# Altium PCB radxa_cm4_io_v1.10.PcbDoc (part 5 of 8)
Units mil, origin at the board's own origin, x right, y up, seen from the top; angles counter-clockwise.
Board outline 6299.62 x 3544.12 mil, 4 copper layers (Top, GND, Power, Bottom), stack 35.4 mil thick; 509 components, 417 nets, 1867 pads, 2150 vias.
Unrouted connection lines stored in the file: 1451.
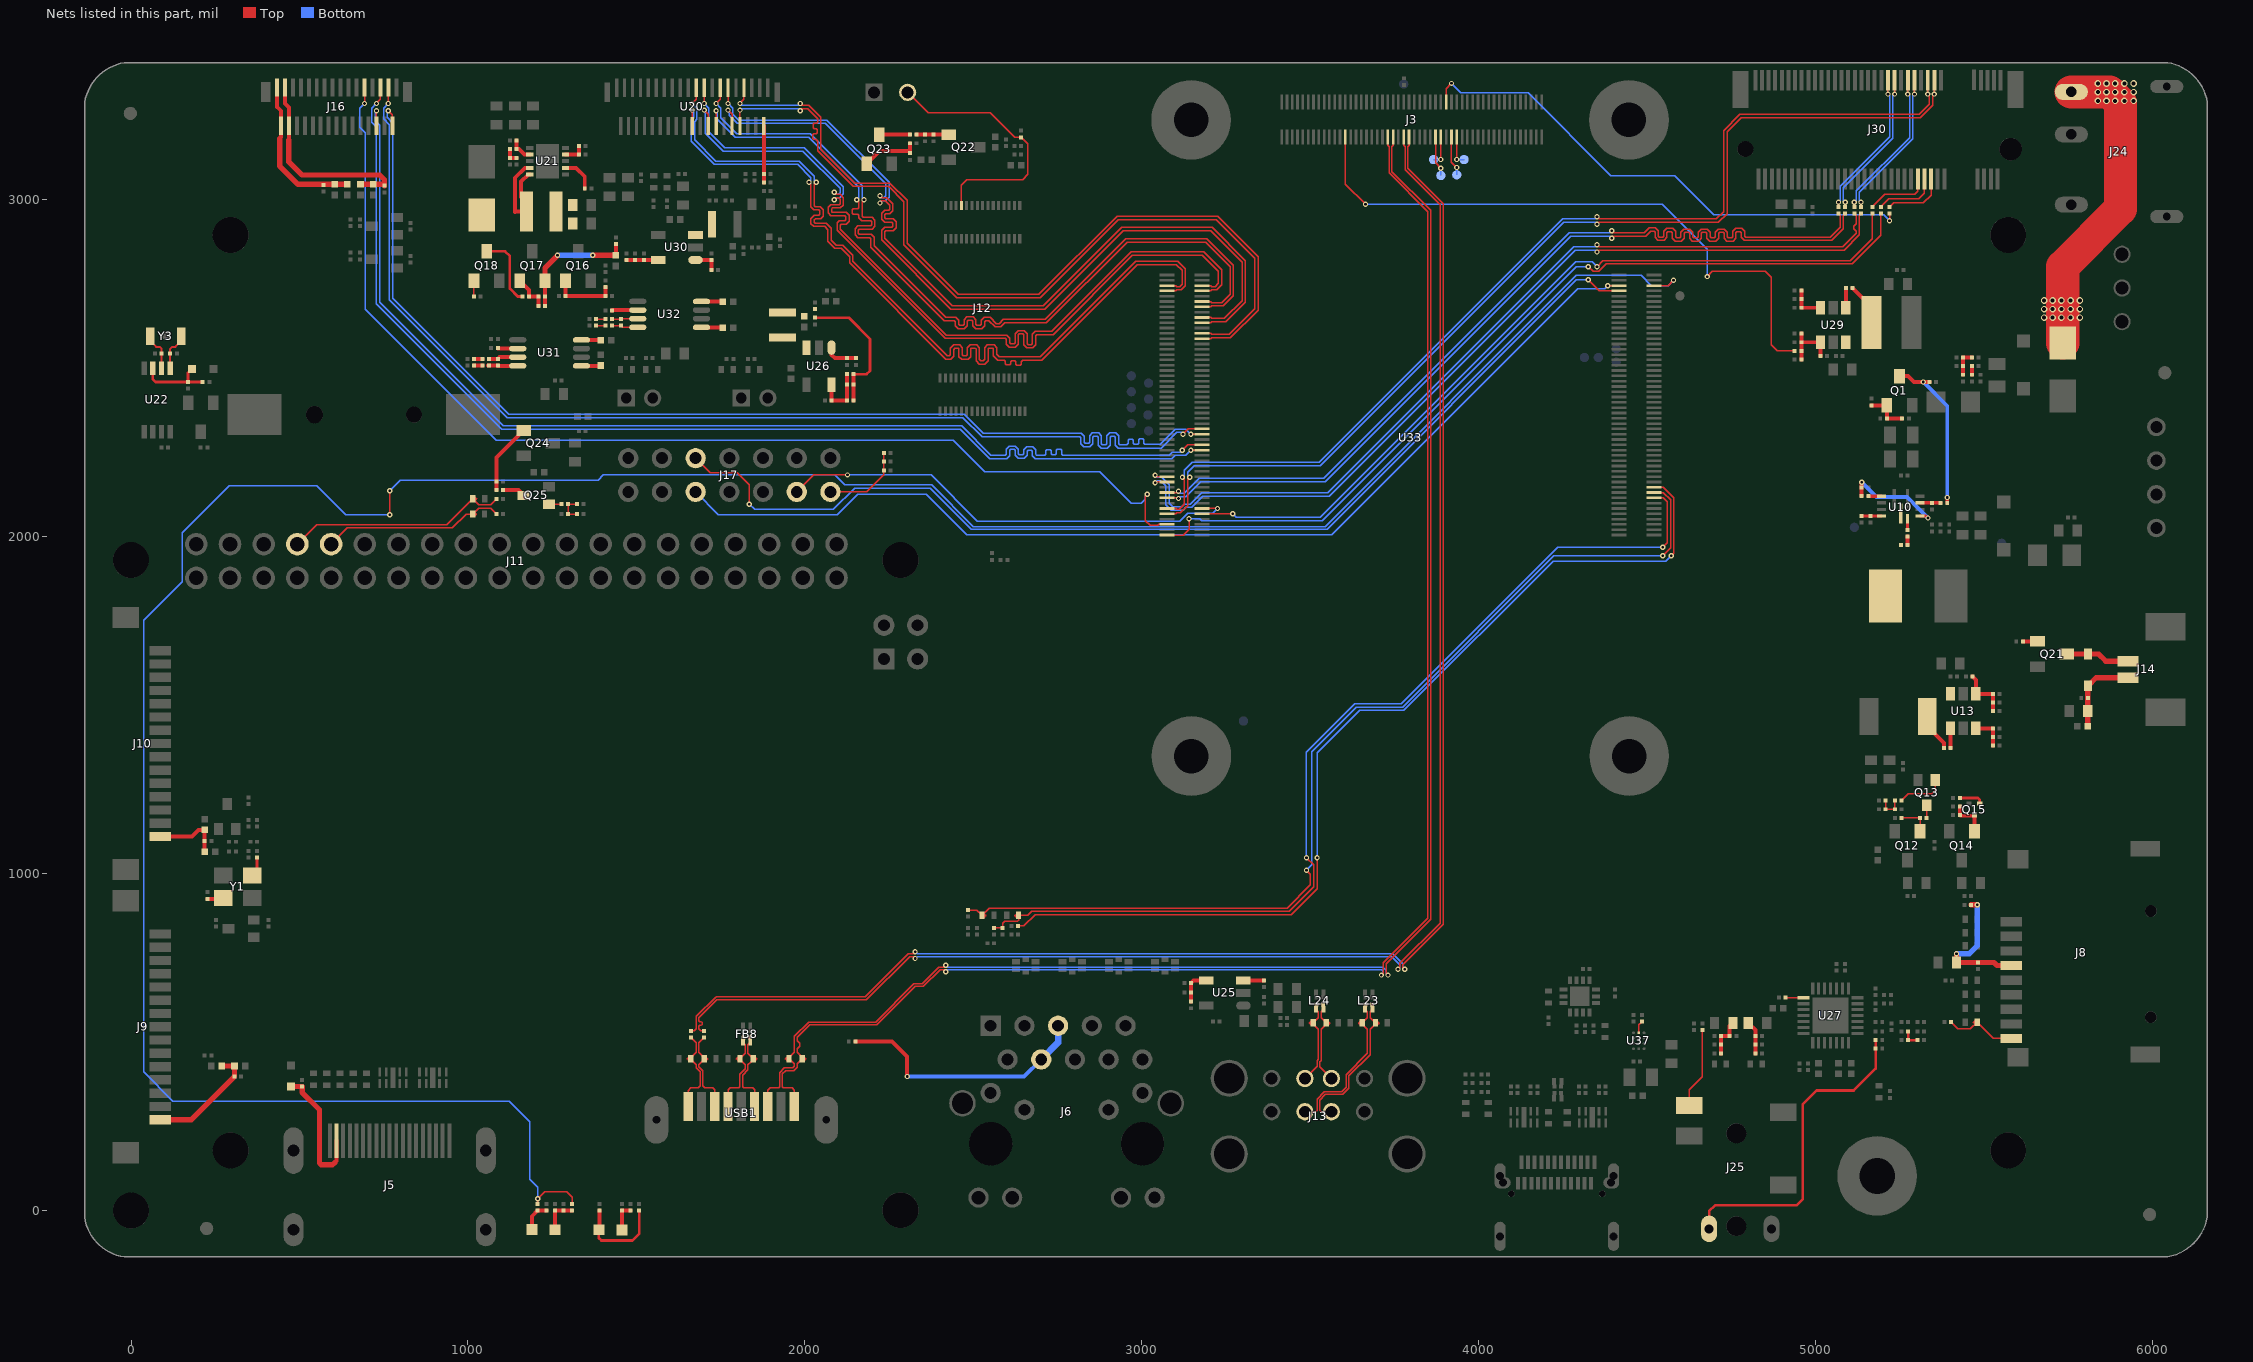
[diagram p7: the nets of this part, all layers, seen from the top]

## Via types
v1: diameter 15.75, hole 7.87, Top to Bottom, 2047 vias
v2: diameter 19.68, hole 11.81, Top to Bottom, 103 vias

## Nets (pads, with @x,y where several pads share a name; then routed paths per layer and width w, separated by ;. In a path a pad name is that pad's centre, name@x,y a point inside that pad or via, vN(x,y) a via of type N, cw(c..) or ccw(c..) an arc to the next point about the centre after c; other vN are vias at no path point) (continued)
MIPI_DPHY_CSI4_RX_CLKP: J16.9 U33.106 | length 3399.8
  Top w3.94: v1(692.91,3285.43) 692.91,3299.49 J16.9@692.91,3332.68 ; v1(3015.75,2125.98) 3009.84,2120.08 3009.84,2100.39 3009.84,2047.31 3023.89,2033.27 3046.26,2033.27 3049.21,2036.22 U33.106@3074.8,2036.22
  Bottom w3.94: v1(692.91,3285.43) 679.13,3271.65 679.13,3214.43 694.88,3198.68 694.88,2675.2 1083.66,2286.42 2439.96,2286.42 2533.46,2192.91 2874.02,2192.91 2968.5,2098.43 2998.03,2098.43 3009.84,2110.24 3009.84,2120.08 v1(3015.75,2125.98)
MIPI_DPHY_CSI4_RX_D0N: J16.5 U33.133 | length 3383.8
  Top w3.94: v1(728.35,3285.43) 740.16,3297.25 J16.5@740.16,3332.68 ; v1(3145.28,2256.69) U33.133@3178.74,2256.69
  Bottom w3.94: v1(728.35,3285.43) 714.57,3271.65 714.57,3230.32 728.35,3216.54 728.35,2690.81 1100.25,2318.9 1383.86,2318.9 2460.49,2318.9 2547.63,2231.76 2599.09,2231.76 2607.81,2240.47 2607.81,2255.91 2610.76,2258.86 2620.61,2258.86 2623.56,2255.91 2623.56,2241.99 2632.28,2233.27 2650.27,2233.27 2658.99,2241.99 2658.99,2253.94 2661.94,2256.89 2671.79,2256.89 2674.74,2253.94 2674.74,2240.02 2683.46,2231.3 3088.58,2231.3 3098.23,2240.94 3129.53,2240.94 v1(3145.28,2256.69)
MIPI_DPHY_CSI4_RX_D0P: J16.6 U33.135 | length 3386.7
  Top w3.94: J16.6@728.35,3219.5 728.35,3251.96 v1(728.35,3263.78) ; v1(3119.68,2256.69) 3135.43,2272.44 U33.135@3178.74,2272.44
  Bottom w3.94: v1(728.35,3263.78) 724.41,3259.84 724.41,3234.39 738.19,3220.61 738.19,2694.88 1104.33,2328.74 2330.51,2328.74 2464.57,2328.74 2551.71,2241.6 2595.02,2241.6 2597.97,2244.55 2597.97,2259.98 2606.69,2268.7 2624.68,2268.7 2633.4,2259.98 2633.4,2246.06 2636.35,2243.11 2646.2,2243.11 2649.15,2246.06 2649.15,2258.01 2657.87,2266.73 2675.86,2266.73 2684.58,2258.01 2684.58,2244.09 2686.78,2241.9 2711.39,2241.9 2714.57,2245.08 2714.57,2255.23 2717.52,2258.18 2727.36,2258.18 2730.32,2255.23 2730.32,2245.86 2733.27,2242.9 2743.11,2242.9 2746.06,2245.86 2746.06,2255.61 2749.02,2258.57 2758.86,2258.57 2761.81,2255.61 2761.81,2244.19 2764.86,2241.14 3080.71,2241.14 3090.35,2250.79 3113.78,2250.79 v1(3119.68,2256.69)
MIPI_DPHY_CSI4_RX_D1N: J16.2 U33.139 | length 3392.1
  Top w3.94: v1(763.78,3263.78) 775.59,3251.97 J16.2@775.59,3219.5 ; v1(3145.28,2303.94) U33.139@3178.74,2303.94
  Bottom w3.94: v1(763.78,3263.78) 759.84,3259.84 759.84,3244.23 776.57,3226.52 776.57,2706.83 1120.22,2363.19 2472.65,2363.19 2529.74,2306.1 2820.02,2306.1 2828.74,2297.38 2828.74,2279.53 2831.69,2276.57 2841.54,2276.57 2844.49,2279.53 2844.49,2299.35 2853.21,2308.07 2871.2,2308.07 2879.92,2299.35 2879.92,2275.59 2882.87,2272.64 2892.72,2272.64 2895.67,2275.59 2895.67,2299.35 2904.39,2308.07 2922.38,2308.07 2931.1,2299.35 2931.1,2275.59 2934.06,2272.64 2954.93,2272.64 2958.66,2276.37 2958.66,2285.98 2961.61,2288.94 2971.46,2288.94 2974.41,2285.98 2974.41,2276.37 2977.36,2273.42 2987.2,2273.42 2990.16,2276.37 2990.16,2287.51 2993.11,2290.47 3002.95,2290.47 3005.91,2287.51 3005.91,2276.57 3008.86,2273.62 3053.99,2273.62 3099.27,2318.9 3130.32,2318.9 v1(3145.28,2303.94)
MIPI_DPHY_CSI4_RX_D1P: J16.3 U33.141 | length 3383.6
  Top w3.94: v1(763.78,3285.43) 763.78,3299.49 J16.3@763.78,3332.68 ; v1(3121.65,2303.94) 3137.4,2319.69 U33.141@3178.74,2319.69
  Bottom w3.94: v1(763.78,3285.43) 750,3271.65 750,3240.16 766.73,3222.44 766.73,2702.76 1116.14,2353.35 2468.57,2353.35 2525.66,2296.26 2815.94,2296.26 2818.9,2293.31 2818.9,2275.45 2827.62,2266.73 2845.61,2266.73 2854.33,2275.45 2854.33,2295.28 2857.28,2298.23 2867.13,2298.23 2870.08,2295.28 2870.08,2271.51 2878.8,2262.8 2896.79,2262.8 2905.51,2271.51 2905.51,2295.28 2908.46,2298.23 2918.31,2298.23 2921.26,2295.28 2921.26,2271.51 2929.98,2262.8 3057.09,2262.8 3103.35,2309.06 3116.54,2309.06 v1(3121.65,2303.94)
MIPI_DPHY_DSI_TX_CLKN: U20.13 U33.187 | length 2466.5
  Top w3.94: v1(1736.22,3285.43) 1748.03,3297.24 U20.13@1748.03,3331.89 ; v1(2175.2,3000) 2169.29,2994.09 2169.29,2950.79 2172.24,2947.83 2198.96,2947.83 2207.68,2939.12 2207.68,2921.12 2198.96,2912.4 2161.42,2912.4 2158.46,2909.45 2158.46,2899.61 2161.42,2896.65 2196.99,2896.65 2205.71,2887.94 2205.71,2863.33 2417.99,2651.05 2447.52,2651.05 2456.24,2642.33 2456.24,2629.92 2459.19,2626.97 2469.03,2626.97 2471.98,2629.92 2471.98,2643.84 2480.7,2652.56 2498.7,2652.56 2507.42,2643.84 2507.42,2629.92 2510.37,2626.97 2520.21,2626.97 2523.17,2629.92 2523.17,2641.87 2531.88,2650.59 2549.88,2650.59 2568.35,2632.12 2576.54,2632.12 2589.11,2644.68 2712.6,2644.68 2951.77,2883.86 3192.91,2883.86 3271.65,2805.12 3271.65,2715.48 3241.01,2684.84 3207.68,2684.84 3204.72,2681.89 U33.187@3178.74,2681.89
  Bottom w3.94: v1(1736.22,3285.43) 1750,3271.65 1750,3242.27 1797.38,3194.88 2015.89,3194.88 2169.29,3041.48 2169.29,3005.91 v1(2175.2,3000)
MIPI_DPHY_DSI_TX_CLKP: U20.14 U33.189 | length 2450.3
  Top w3.94: U20.14@1736.22,3218.71 v1(1736.22,3263.78) ; v1(2153.54,3000) 2159.45,2994.09 2159.45,2975.39 2156.5,2972.44 2142.89,2972.44 2139.94,2969.49 2139.94,2959.65 2142.89,2956.69 2156.28,2956.69 2159.45,2953.52 2159.45,2946.71 2168.17,2937.99 2194.88,2937.99 2197.83,2935.04 2197.83,2925.2 2194.88,2922.24 2157.34,2922.24 2148.62,2913.53 2148.62,2895.53 2157.34,2886.81 2192.91,2886.81 2195.87,2883.86 2195.87,2859.25 2413.91,2641.21 2443.44,2641.21 2446.39,2638.25 2446.39,2625.84 2455.11,2617.13 2473.11,2617.13 2481.83,2625.84 2481.83,2639.76 2484.78,2642.72 2494.62,2642.72 2497.57,2639.76 2497.57,2625.84 2506.29,2617.13 2524.29,2617.13 2533.01,2625.84 2533.01,2637.8 2535.96,2640.75 2545.8,2640.75 2564.5,2622.05 2580.39,2622.05 2593.19,2634.84 2716.68,2634.84 2955.85,2874.02 3188.84,2874.02 3261.81,2801.04 3261.81,2719.56 3236.94,2694.68 3207.68,2694.68 3204.72,2697.64 U33.189@3178.74,2697.64
  Bottom w3.94: v1(1736.22,3263.78) 1740.16,3259.84 1740.16,3238.19 1793.31,3185.04 2011.81,3185.04 2159.45,3037.4 2159.45,3005.91 v1(2153.54,3000)
MIPI_DPHY_DSI_TX_D0N: U20.7 U33.175 | length 2464
  Top w3.94: v1(1807.09,3285.43) 1818.9,3297.24 U20.7@1818.9,3331.89 ; v1(1986.22,3285.43) 1992.13,3279.53 2011.81,3279.53 2047.24,3244.09 2047.24,3149.75 2147.78,3049.21 2252.11,3049.21 2303.15,2998.17 2303.15,2870.22 2454.86,2718.5 2693.9,2718.5 2926.18,2950.79 3224.41,2950.79 3344.49,2830.71 3344.49,2672.17 3262.67,2590.35 3207.68,2590.35 3204.72,2587.4 U33.175@3178.74,2587.4
  Bottom w3.94: v1(1807.09,3285.43) 1812.99,3279.53 1980.31,3279.53 v1(1986.22,3285.43)
MIPI_DPHY_DSI_TX_D0P: U20.8 U33.177 | length 2463.4
  Top w3.94: U20.8@1807.09,3218.71 v1(1807.09,3265.75) ; v1(1986.22,3263.78) 1992.13,3269.69 2007.73,3269.69 2037.4,3240.02 2037.4,3229.33 2034.45,3226.38 2027.25,3226.38 2024.3,3223.43 2024.3,3213.58 2027.25,3210.63 2033.37,3210.63 2036.32,3207.68 2036.32,3197.83 2033.37,3194.88 2026.16,3194.88 2023.2,3191.93 2023.2,3182.09 2026.16,3179.13 2031.92,3179.13 2037.4,3173.65 2037.4,3145.67 2143.7,3039.37 2248.03,3039.37 2293.31,2994.09 2293.31,2866.14 2450.79,2708.66 2697.97,2708.66 2930.26,2940.94 3220.33,2940.94 3334.65,2826.63 3334.65,2676.25 3258.59,2600.2 3207.68,2600.2 3204.72,2603.15 U33.177@3178.74,2603.15
  Bottom w3.94: v1(1807.09,3265.75) 1811.02,3269.69 1980.31,3269.69 v1(1986.22,3263.78)
MIPI_DPHY_DSI_TX_D1N: U20.10 U33.181 | length 2463.9
  Top w3.94: v1(1771.65,3265.75) 1783.46,3253.94 U20.10@1783.46,3218.71 ; v1(2222.44,3011.81) 2228.35,3005.91 2242.13,3005.91 2260.83,2987.2 2260.83,2967.38 2252.11,2958.66 2240.16,2958.66 2237.2,2955.71 2237.2,2945.87 2240.16,2942.91 2261.95,2942.91 2270.67,2934.2 2270.67,2916.2 2261.95,2907.48 2240.16,2907.48 2237.2,2904.53 2237.2,2884.98 2437.15,2685.04 2707.54,2685.04 2939.82,2917.32 3208.66,2917.32 3307.09,2818.9 3307.09,2695.8 3248.89,2637.6 3207.68,2637.6 3204.72,2634.65 U33.181@3178.74,2634.65
  Bottom w3.94: v1(1771.65,3265.75) 1770.74,3264.83 1775.59,3259.98 1775.59,3250 1799.21,3226.38 2060.88,3226.38 2240.16,3047.1 2240.16,3011.81 2234.25,3005.91 2228.35,3005.91 v1(2222.44,3011.81)
MIPI_DPHY_DSI_TX_D1P: U20.11 U33.183 | length 2465.1
  Top w3.94: v1(1771.65,3285.43) U20.11@1771.65,3331.89 ; v1(2222.44,2990.16) 2228.35,2996.06 2238.05,2996.06 2250.98,2983.13 2250.98,2971.46 2248.03,2968.5 2236.08,2968.5 2227.36,2959.79 2227.36,2941.79 2236.08,2933.07 2257.87,2933.07 2260.83,2930.12 2260.83,2920.28 2257.87,2917.32 2236.08,2917.32 2227.36,2908.6 2227.36,2904.53 2227.36,2880.91 2433.07,2675.2 2711.61,2675.2 2943.9,2907.48 3204.58,2907.48 3297.24,2814.82 3297.24,2699.87 3244.81,2647.44 3207.68,2647.44 3204.72,2650.39 U33.183@3178.74,2650.39
  Bottom w3.94: v1(1771.65,3285.43) 1785.43,3271.65 1785.43,3254.08 1803.29,3236.22 2064.96,3236.22 2250,3051.18 2250,3007.73 2238.33,2996.06 2228.35,2996.06 v1(2222.44,2990.16)
MIPI_DPHY_DSI_TX_D2N: U20.16 U33.193 | length 2455.7
  Top w3.94: v1(1700.79,3265.75) 1712.6,3253.94 U20.16@1712.6,3218.71 ; v1(2086.61,3021.65) 2087.6,3022.64 2094.49,3015.75 2104.33,3015.75 2114.17,3005.91 2114.17,2984.04 2105.4,2975.27 2081.57,2975.27 2078.74,2972.44 2078.74,2964.57 2080.71,2962.6 2122.19,2962.6 2130.91,2953.88 2130.91,2935.88 2122.19,2927.17 2108.27,2927.17 2105.31,2924.21 2105.31,2912.54 2419.96,2597.9 2599.09,2597.9 2607.81,2589.18 2607.81,2574.8 2610.76,2571.85 2620.61,2571.85 2623.56,2574.8 2623.56,2602.5 2632.28,2611.22 2650.27,2611.22 2658.99,2602.5 2658.99,2572.83 2661.94,2569.88 2671.79,2569.88 2674.74,2572.83 2674.74,2600.53 2683.46,2609.25 2732.21,2609.25 2967.84,2844.88 3182.68,2844.88 3236.22,2791.34 3236.22,2747.05 3221.26,2732.09 3207.68,2732.09 3204.72,2729.13 U33.193@3178.74,2729.13
  Bottom w3.94: v1(1700.79,3265.75) 1699.87,3264.83 1704.72,3259.98 1704.72,3196.85 1757.87,3143.7 1994.09,3143.7 2104.33,3033.46 2104.33,3021.17 2098.91,3015.75 2092.52,3015.75 v1(2086.61,3021.65)
MIPI_DPHY_DSI_TX_D2P: U20.17 U33.195 | length 2458.1
  Top w3.94: v1(1700.79,3285.43) U20.17@1700.79,3331.89 ; v1(2086.61,3000) 2092.52,3005.91 2100.25,3005.91 2104.33,3001.83 2104.33,2988.12 2101.45,2985.24 2077.13,2985.24 2068.9,2977 2068.9,2960.49 2076.63,2952.76 2118.11,2952.76 2121.06,2949.8 2121.06,2939.96 2118.11,2937.01 2101.38,2937.01 2095.47,2931.1 2095.47,2908.46 2415.88,2588.06 2595.02,2588.06 2597.97,2585.1 2597.97,2570.73 2606.69,2562.01 2624.68,2562.01 2633.4,2570.73 2633.4,2598.43 2636.35,2601.38 2646.2,2601.38 2649.15,2598.43 2649.15,2568.76 2657.87,2560.04 2675.86,2560.04 2684.58,2568.76 2684.58,2596.46 2687.53,2599.41 2736.29,2599.41 2971.91,2835.03 3178.61,2835.03 3226.38,2787.26 3226.38,2751.12 3217.18,2741.93 3207.68,2741.93 3204.72,2744.88 U33.195@3178.74,2744.88
  Bottom w3.94: v1(1700.79,3285.43) 1714.57,3271.65 1714.57,3200.93 1761.95,3153.54 1998.17,3153.54 2114.17,3037.54 2114.17,3017.09 2102.99,3005.91 2092.52,3005.91 v1(2086.61,3000)
MIPI_DPHY_DSI_TX_D3N: U20.19 U33.194 | length 2468.2
  Top w3.94: v1(1665.35,3285.43) 1677.17,3297.24 U20.19@1677.17,3331.89 ; v1(2033.46,3051.18) 2027.56,3045.28 2027.56,2982.28 2030.51,2979.33 2045.42,2979.33 2054.13,2970.61 2054.13,2950.79 2047.24,2943.9 2031.74,2943.9 2027.56,2939.71 2027.56,2933.07 2030.51,2930.12 2063.06,2930.12 2077.76,2915.42 2077.76,2879.99 2092.59,2865.16 2112.27,2865.16 2142.16,2835.27 2142.16,2816.57 2422.31,2536.42 2428.15,2536.42 2431.1,2539.37 2431.1,2559.19 2440.81,2568.9 2458.8,2568.9 2466.54,2561.16 2466.54,2539.37 2469.49,2536.42 2479.33,2536.42 2482.28,2539.37 2482.28,2561.16 2490.02,2568.9 2509.98,2568.9 2517.72,2561.16 2517.72,2525.59 2521.65,2521.65 2529.53,2521.65 2533.46,2525.59 2533.46,2561.16 2541.2,2568.9 2561.16,2568.9 2568.9,2561.16 2568.9,2541.34 2576.77,2533.46 2697.83,2533.46 2981.3,2816.93 3106.37,2816.93 3128.94,2794.36 3128.94,2744.09 3116.93,2732.09 3103.35,2732.09 3100.39,2729.13 U33.194@3074.8,2729.13
  Bottom w3.94: v1(1665.35,3285.43) 1679.13,3271.65 1679.13,3238.19 1672.24,3231.3 1672.24,3177.31 1735.38,3114.17 1982.28,3114.17 2027.56,3068.9 2027.56,3057.09 v1(2033.46,3051.18)
MIPI_DPHY_DSI_TX_D3P: U20.20 U33.196 | length 2466.7
  Top w3.94: U20.20@1665.35,3218.71 v1(1665.35,3265.75) ; v1(2011.81,3051.18) 2017.72,3045.28 2017.72,2978.21 2026.43,2969.49 2041.34,2969.49 2044.29,2966.54 2044.29,2956.69 2041.34,2953.74 2027.56,2953.74 2017.72,2943.9 2017.72,2928.99 2026.44,2920.28 2058.99,2920.28 2067.91,2911.35 2067.91,2875.91 2088.51,2855.32 2108.2,2855.32 2132.32,2831.2 2132.32,2812.49 2418.23,2526.58 2432.23,2526.58 2440.94,2535.3 2440.94,2555.12 2444.88,2559.06 2454.72,2559.06 2456.69,2557.09 2456.69,2533.46 2464.57,2525.59 2484.25,2525.59 2492.13,2533.46 2492.13,2557.09 2494.09,2559.06 2505.91,2559.06 2507.87,2557.09 2507.87,2521.51 2517.58,2511.81 2533.6,2511.81 2543.31,2521.51 2543.31,2557.09 2545.28,2559.06 2557.09,2559.06 2559.06,2557.09 2559.06,2537.26 2572.69,2523.62 2591.54,2523.62 2594.49,2520.67 2594.49,2513.03 2597.44,2510.07 2607.28,2510.07 2610.24,2513.03 2610.24,2519.59 2613.19,2522.55 2623.03,2522.55 2625.98,2519.59 2625.98,2511.12 2628.94,2508.17 2638.78,2508.17 2641.73,2511.12 2641.73,2518.9 2646.45,2523.62 2701.91,2523.62 2985.38,2807.09 3102.29,2807.09 3119.09,2790.28 3119.09,2748.17 3112.85,2741.93 3103.35,2741.93 3100.39,2744.88 U33.196@3074.8,2744.88
  Bottom w3.94: v1(1665.35,3265.75) 1669.29,3261.81 1669.29,3242.27 1662.4,3235.38 1662.4,3173.23 1731.3,3104.33 1978.21,3104.33 2017.72,3064.82 2017.72,3057.09 v1(2011.81,3051.18)
N16483578: C284.2 R334.1 | length 25.6
  Top w11.81: C284.2@1017.72,2527.56 R334.1@1043.31,2527.56
N16483700: C289.2 R335.1 | length 25.6
  Top w11.81: C289.2@1017.72,2507.87 R335.1@1043.31,2507.87
N16485789: C291.2 R336.1 | length 27.6
  Top w3.94: C291.2@1379.92,2645.67 R336.1@1407.48,2645.67
N16485911: C296.2 R337.1 | length 27.6
  Top w3.94: C296.2@1379.92,2625.98 R337.1@1407.48,2625.98
N17781029: LED2.1 R219.2 R221.2 | length 88.8
  Top w11.81: LED2.1@1189.82,-56.24 1189.82,-16.87 R221.2@1206.69,0 R219.2@1232.28,0
N17781033: LED3.1 R224.2 R227.1 | length 281.9
  Top w8: LED3.1@1388.64,-57.43 1387.8,-58.27 1387.8,-80.71 1395.67,-88.58 1488.19,-88.58 1507.87,-68.9 R227.1@1507.87,0
  Top w11.81: LED3.1@1388.64,-57.43 1389.76,-56.3 R224.2@1389.76,0
N17781361: LED2.2 R216.1 R217.1 R222.1 | length 107.7
  Top w11.81: LED2.2@1258.21,-56.35 1258.21,-0.34 R216.1@1257.87,0 R217.1@1283.46,0 R222.1@1309.06,0
N17782008: LED3.2 R225.1 R226.1 | length 83.3
  Top w11.81: LED3.2@1457.03,-57.54 1456.69,-57.2 R225.1@1456.69,0 R226.1@1482.28,0
N17782924: J17.13 R218.1 R220.1 R223.1 | length 244.5
  Top w3.94: J17.13@2075.59,2132.68 2183.86,2132.68 2234.25,2183.07 R218.1@2234.25,2196.85 R223.1@2234.25,2222.44 R220.1@2234.25,2248.03
N17878168: C278.2 C279.1 FB17.1 R317.1 | length 99.5
  Top w11.81: C278.2@4799.21,557.09 4820.87,535.43 R317.1@4820.87,517.72 C279.1@4820.87,492.13 FB17.1@4820.87,466.54
N17943889: R268.2 Y1.3 | length 66.9
  Top w7.87: Y1.3@360.24,994.09 374.02,994.09 R268.2@374.02,1047.24
N17943950: R264.1 Y1.1 | length 48.1
  Top w11.81: R264.1@226.38,925.2 257.87,925.2 259.85,927.17 Y1.1@273.62,927.17
N18372552: C192.1 C193.1 FB1.1 J9.1 | length 342.4
  Top w15.75: J9.1@86.61,269.7 179.14,269.7 C193.1@307.09,397.64 C192.1@307.09,429.13 FB1.1@269.69,429.13
N18373067: C190.1 C191.1 FB3.1 J10.1 | length 205
  Top w11.81: J10.1@86.61,1110.25 181.11,1110.25 200.79,1129.92 C190.1@218.5,1129.92 C191.1@218.5,1096.46 FB3.1@218.5,1064.96
N18669719: C277.1 R291.2 R304.1 | length 53.1
  Top w7.87: R291.2@5273.62,531.5 R304.1@5273.62,505.91 C277.1@5301.18,505.91
N19430296: D18.2 J8.9 R228.2 | length 214.5
  Top w3.94: R228.2@5401.57,559.06 5421.26,539.37 5458.66,539.37 D18.2@5478.35,559.06 5526.77,510.63 J8.9@5579.7,510.63
N19463865: J30.52 R296.1 | length 188.3
  Top w3.94: R296.1@5192.91,2978.35 5216.54,3001.97 5305.12,3001.97 5322.05,3018.9 J30.52@5322.05,3061.22
N19463875: C222.2 J30.49 | length 446
  Top w3.94: C222.2@5133.86,2978.35 v1(5133.86,2992.13) ; v1(5292.52,3313.19) J30.49@5292.52,3354.53
  Bottom w3.94: v1(5133.86,2992.13) 5128.94,2997.05 5128.94,3021.58 5287.6,3180.25 5287.6,3308.27 v1(5292.52,3313.19)
N19463877: C221.2 J30.47 | length 446
  Top w3.94: C221.2@5114.17,2978.35 v1(5114.17,2992.13) ; v1(5272.84,3313.19) J30.47@5272.83,3354.53
  Bottom w3.94: v1(5114.17,2992.13) 5119.09,2997.05 5119.09,3025.66 5277.76,3184.32 5277.76,3308.27 v1(5272.84,3313.19)
N19463923: J30.50 R295.1 | length 190.7
  Top w3.94: R295.1@5167.32,2978.35 5204.72,3015.75 5293.31,3015.75 5302.36,3024.8 J30.50@5302.36,3061.22
N19463941: C210.1 U29.1 | length 59.1
  Top w11.81: U29.1@5088.58,2679.13 C210.1@5088.58,2738.19
N19463943: C210.2 L21.1 U29.6 | length 126
  Top w11.81: C210.2@5108.27,2738.19 5165.35,2681.11 L21.1@5165.35,2635.83
N19463949: J30.54 R297.1 | length 185.8
  Top w3.94: R297.1@5218.5,2978.35 5230.32,2990.16 5318.9,2990.16 5341.73,3012.99 J30.54@5341.73,3061.22
N19463955: C217.2 R285.2 R290.1 U29.3 | length 108.3
  Top w11.81: R285.2@4956.69,2730.32 C217.2@4956.69,2704.72 R290.1@4956.69,2679.13 U29.3@5013.78,2679.13
N19463973: C220.1 R7.2 R278.1 R288.2 R298.2 U29.4 | length 178.1
  Top w11.81: R288.2@4956.69,2525.59 R7.2@4956.69,2551.18 R298.2@4956.69,2574.8 ; C220.1@4956.69,2602.36 R298.2@4956.69,2574.8 ; R278.1@5013.78,2535.43 U29.4@5013.78,2576.77 5013.78,2576.09 5013.1,2576.77 R298.2@4956.69,2576.77 R298.2@4956.69,2574.8
N19471161: J30.41 R293.2 | length 441.1
  Top w3.94: R293.2@5066.93,2978.35 v1(5066.93,2992.13) ; v1(5213.78,3313.19) J30.41@5213.78,3354.53
  Bottom w3.94: v1(5066.93,2992.13) 5071.85,2997.05 5071.85,3039.44 5218.7,3186.29 5218.7,3308.27 v1(5213.78,3313.19)
N19471204: J30.43 R294.2 | length 441.1
  Top w3.94: R294.2@5086.61,2978.35 v1(5086.61,2992.13) ; v1(5233.46,3313.19) J30.43@5233.46,3354.53
  Bottom w3.94: v1(5086.61,2992.13) 5081.69,2997.05 5081.69,3035.36 5228.54,3182.21 5228.54,3308.27 v1(5233.46,3313.19)
N19591793: C181.1 Q17.2 R254.2 R255.2 R257.1 | length 371.8
  Top w11.81: R257.1@1228.35,2685.04 C181.1@1228.35,2712.6 Q17.2@1228.34,2759.84 ; R254.2@1438.98,2834.65 R255.2@1438.98,2868.11
  Top w15.75: Q17.2@1228.34,2759.84 1228.34,2797.24 v1(1265.75,2834.65) ; v1(1370.08,2834.65) R254.2@1438.98,2834.65
  Bottom w15.75: v1(1265.75,2834.65) v1(1370.08,2834.65)
N19591801: C181.2 Q17.1 R257.2 R261.1 | length 113.8
  Top w11.81: Q17.1@1153.54,2759.84 1181.1,2732.28 R261.1@1181.1,2712.6 C181.2@1208.66,2712.6 R257.2@1208.66,2685.04
N19591813: Q18.3 R261.2 | length 218.3
  Top w7.87: Q18.3@1055.12,2846.46 1110.24,2846.46 1124.02,2832.68 1124.02,2736.22 1147.64,2712.6 R261.2@1161.42,2712.6
N19591825: Q18.1 R262.2 | length 47.2
  Top w3.94: R262.2@1017.72,2712.6 Q18.1@1017.72,2759.84
N19591849: C174.1 C176.1 FB2.2 L20.1 U21.7 | length 103.1
  Top w11.81: U21.7@1289.37,3094.49 1320.87,3094.49 1346.46,3068.9 C174.1@1346.46,3033.46
N19591855: D24.1 L20.2 U21.4 U21.5 | length 322.5
  Top w11.81: U21.5@1183.46,3074.8 1179.13,3074.8 1157.48,3053.15 1157.48,3007.87 1173.11,2992.25 L20.2@1173.11,2964.57 1141.73,2964.57 1139.76,2962.6 1139.76,3064.96 1169.29,3094.49 U21.4@1183.46,3094.49
N19591857: R240.1 R249.2 U21.2 | length 71.9
  Top w11.81: R240.1@1143.7,3175.2 R249.2@1143.7,3149.61 1151.57,3149.61 1167.32,3133.86 U21.2@1183.46,3133.86
N19591859: C180.2 R247.2 R249.1 | length 45.3
  Top w11.81: R249.1@1124.02,3149.61 R247.2@1124.02,3124.02 C180.2@1143.7,3124.02